# Altium PCB ZLS_MCU.PcbDoc (part 1 of 5) (continued)
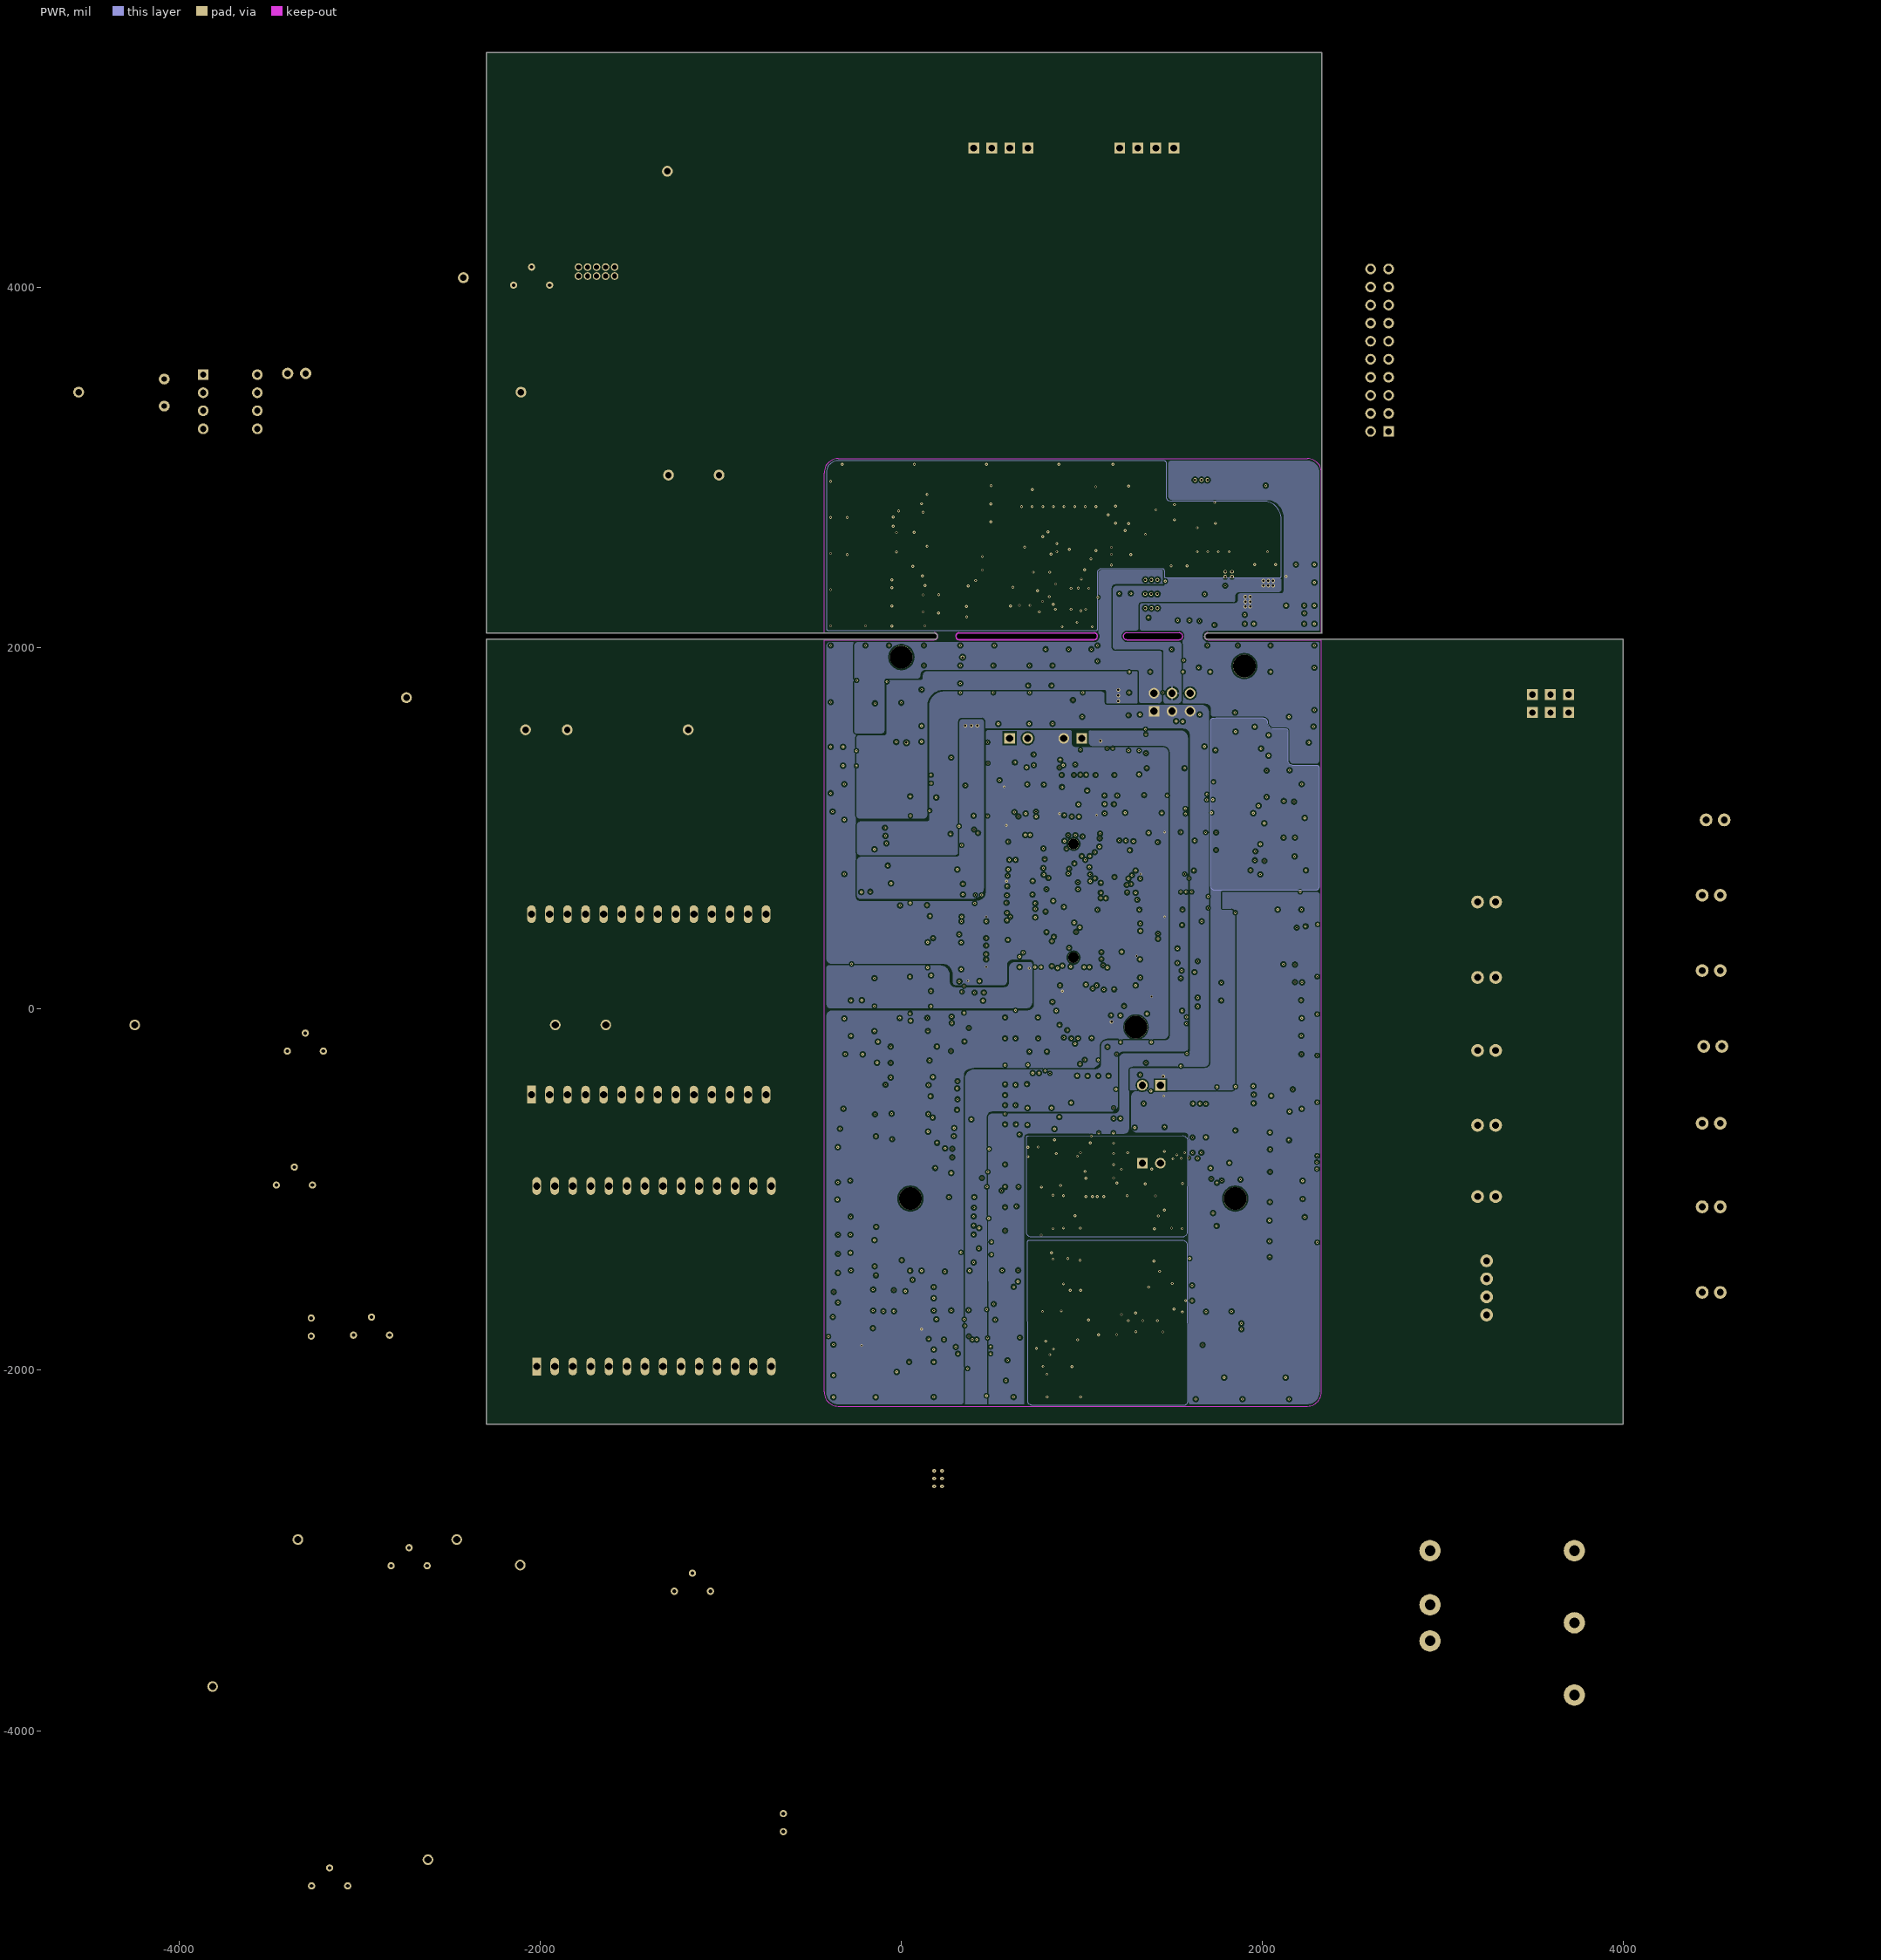
[diagram p4: PWR]
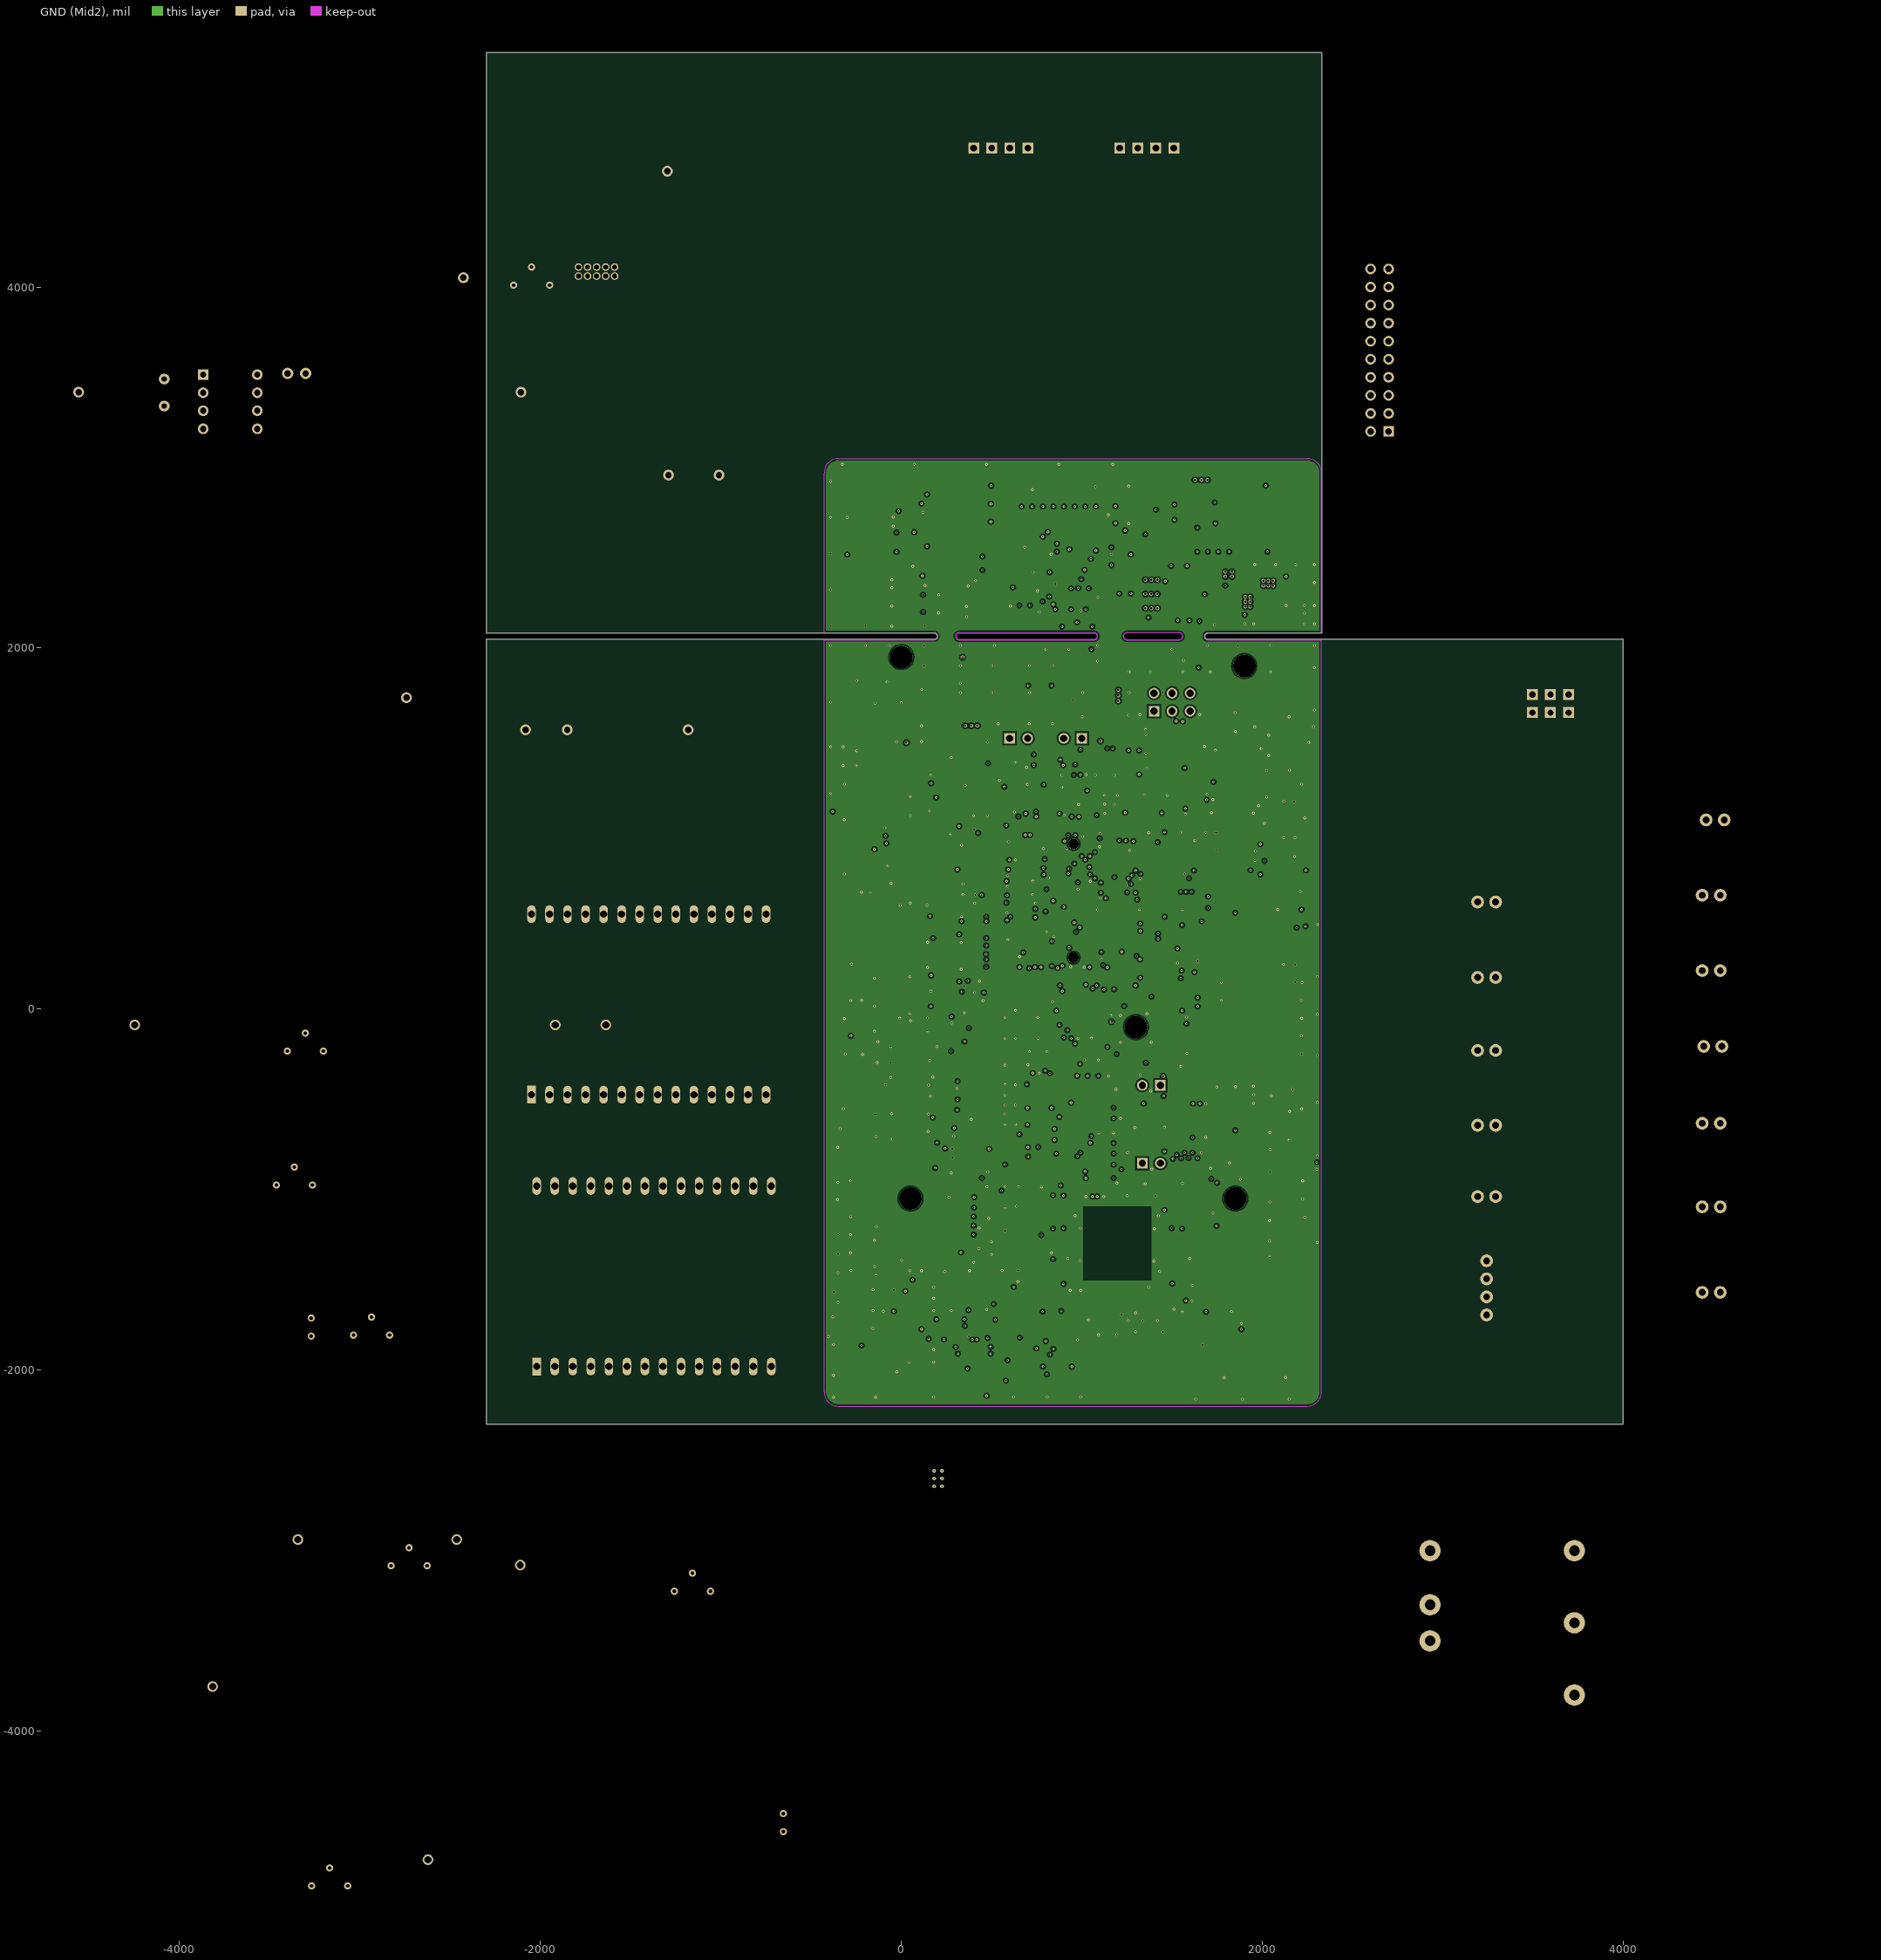
[diagram p5: GND (Mid2)]

## Layer stack, top to bottom
Top Solder: solder mask 0.4, Solder Resist, Dk 3.5
Top Layer: signal copper 1.4
Dielectric1: core 15.748, FR-4, Dk 4.8
GND: signal copper 1.4
Dielectric2: prepreg 9.4488, FR-4, Dk 4.8
Signal: signal copper 1.4
Dielectric4: core 12.6, FR-4, Dk 4.8
PWR: signal copper 1.4
Dielectric5: prepreg 12.6, FR-4, Dk 4.8
GND (Mid2): signal copper 1.4
Dielectric3: core 15.748, FR-4, Dk 4.8
Bottom Layer: signal copper 1.4
Bottom Solder: solder mask 0.4, Solder Resist, Dk 3.5

## Board outline
-2300,-2300 1595.49,-2300 4000,-2300 4000,2048.14 1698.03,2048.18 cw(c1698.03,2065.35) 1698.03,2082.52 2327.93,2082.52 ccw(c2327.95,2085.05) 2330.47,2085.04 2330.47,5300 -2300.01,5300 -2300,2082.53 182.28,2082.52 cw(c182.31,2065.38) 199.45,2065.35 cw(c182.28,2065.35) 182.28,2048.18 -2300,2048.17
cut-out: 1250,2045.67 cw(c1250,2065.35) 1250,2085.04 1538.58,2085.04 cw(c1538.58,2065.35) 1538.58,2045.67
cut-out: 320.08,2048.18 320.1,2048.18 569.42,2048.18 1068.11,2048.18 cw(c1068.11,2045.67) 1068.13,2048.18 ccw(c1068.11,2065.35) 1085.28,2065.35 ccw(c1068.11,2065.35) 1068.11,2082.52 cw(c1068.11,2085.04) 1068.08,2082.52 1068.11,2082.52 569.42,2082.52 1068.08,2082.52 569.42,2082.52 320.08,2082.52 ccw(c320.08,2085.04) 320.1,2082.52 320.08,2082.52 569.42,2082.52 320.08,2082.52 ccw(c320.08,2065.35)

## Design rules (kind name [scope] priority, off if disabled: settings)
Clearance "U9 PWR TRACK" [(ObjectKind = 'Track') vs (ObjectKind = 'Pad') And (Component = 'U9')] p1: gap=8 ignorepadtopadclearanceinfootprint=FALSE except(0: Arc-Hole Track-Hole SMDPad-Hole THPad-Hole Via-Hole Fill-Hole Poly-Hole Region-Hole Text-Hole)
Clearance "U8 PWR TRACK" [(ObjectKind = 'Track') vs (ObjectKind = 'Pad') And (Component = 'U8')] p2: gap=8 ignorepadtopadclearanceinfootprint=FALSE except(0: Arc-Hole Track-Hole SMDPad-Hole THPad-Hole Via-Hole Fill-Hole Poly-Hole Region-Hole Text-Hole)
Clearance SB [(HasFootprint('SB_0603')) or (HasFootprint('JP2_SMD'))] p3: gap=5 ignorepadtopadclearanceinfootprint=FALSE except(0: Arc-Hole Track-Hole SMDPad-Hole THPad-Hole Via-Hole Fill-Hole Poly-Hole Region-Hole Text-Hole)
Clearance CN1_PAD [(ObjectKind = 'Pad') And (Component = 'CN1') vs (ObjectKind = 'Pad') And (Component = 'CN1')] p4: gap=8 ignorepadtopadclearanceinfootprint=FALSE except(0: Arc-Hole Track-Hole SMDPad-Hole THPad-Hole Via-Hole Fill-Hole Poly-Hole Region-Hole Text-Hole)
Clearance U6_PAD [(ObjectKind = 'Pad') And (Component = 'D6') vs (ObjectKind = 'Pad') And (Component = 'D6')] p5: gap=8 ignorepadtopadclearanceinfootprint=FALSE except(0: Arc-Hole Track-Hole SMDPad-Hole THPad-Hole Via-Hole Fill-Hole Poly-Hole Region-Hole Text-Hole)
Clearance CN13_PAD [(ObjectKind = 'Pad') And (Component = 'CN13') vs (ObjectKind = 'Pad') And (Component = 'CN13')] p6: gap=7 ignorepadtopadclearanceinfootprint=FALSE except(0: Arc-Hole Track-Hole SMDPad-Hole THPad-Hole Via-Hole Fill-Hole Poly-Hole Region-Hole Text-Hole)
Clearance U9_PAD [(ObjectKind = 'Pad') And (Component = 'U9') vs (ObjectKind = 'Pad') And (Component = 'U9')] p7: gap=8 ignorepadtopadclearanceinfootprint=FALSE except(0: Arc-Hole Track-Hole SMDPad-Hole THPad-Hole Via-Hole Fill-Hole Poly-Hole Region-Hole Text-Hole)
Clearance U8_PAD [(ObjectKind = 'Pad') And (Component = 'U8') vs (ObjectKind = 'Pad') And (Component = 'U8')] p8: gap=7.8 ignorepadtopadclearanceinfootprint=FALSE except(0: Arc-Hole Track-Hole SMDPad-Hole THPad-Hole Via-Hole Fill-Hole Poly-Hole Region-Hole Text-Hole)
Clearance Polygon [(ObjectKind = 'Poly')] p9: gap=10 ignorepadtopadclearanceinfootprint=FALSE except(0: Arc-Hole Track-Hole SMDPad-Hole THPad-Hole Via-Hole Fill-Hole Poly-Hole Region-Hole Text-Hole)
Clearance [All] p10: gap=8.9 ignorepadtopadclearanceinfootprint=FALSE except(0: Arc-Hole Track-Hole SMDPad-Hole THPad-Hole Via-Hole Fill-Hole Poly-Hole Region-Hole Text-Hole)
DiffPairsRouting [All] p1: maxlimit=10 minlimit=8.9 mostfreqgap=8.9 toplayer_minwidth=15 toplayer_maxwidth=15 toplayer_prefwidth=15 midlayer1_minwidth=15 midlayer1_maxwidth=15 midlayer1_prefwidth=15 midlayer2_minwidth=15 midlayer2_maxwidth=15 midlayer2_prefwidth=15 midlayer3_minwidth=15 midlayer3_maxwidth=15 midlayer3_prefwidth=15 midlayer4_minwidth=15 midlayer4_maxwidth=15 midlayer4_prefwidth=15 bottomlayer_minwidth=15 bottomlayer_maxwidth=15 bottomlayer_prefwidth=15 maxuncoupledlength=500
FabricationTestPointUsage TestPointUsage [All] p1: valid=0 allowmultiple=FALSE
FabricationTestpoint Testpoint [(IsPad And (OnTopLayer Or OnBottomLayer))] p1: side=3 testpointundercomponent=TRUE minsize=40 maxsize=100 preferedsize=60 minholesize=0 maxholesize=40 preferedholesize=32 testpointgrid=1 allowsidetop=TRUE allowsidebottom=TRUE usegrid=TRUE gridtolerance=0.01
HoleSize [All] p1: absolutevalues=TRUE maxlimit=150 minlimit=1 maxpercent=80.000 minpercent=20.000
MinimumSolderMaskSliver [All] p1: minsoldermaskwidth=0.5
PolygonConnect VBAT [(ObjectKind = 'Poly') And (Net = 'VBAT')] p1: connectstyle=Direct reliefconductorwidth=10 reliefentries=4 polygonreliefangle="90 Angle" airgapwidth=10
PolygonConnect VDD [(ObjectKind = 'Poly') And (Net = 'VDD')] p2: connectstyle=Direct reliefconductorwidth=10 reliefentries=4 polygonreliefangle="90 Angle" airgapwidth=10
PolygonConnect VIN [(ObjectKind = 'Poly') And (Net = 'VIN')] p3: connectstyle=Direct reliefconductorwidth=10 reliefentries=4 polygonreliefangle="90 Angle" airgapwidth=10
PolygonConnect +3V3 [(ObjectKind = 'Poly') And (Net = '+3V3')] p4: connectstyle=Direct reliefconductorwidth=10 reliefentries=4 polygonreliefangle="90 Angle" airgapwidth=10
PolygonConnect E5V [(ObjectKind = 'Poly') And (Net = 'E5V')] p5: connectstyle=Direct reliefconductorwidth=10 reliefentries=4 polygonreliefangle="90 Angle" airgapwidth=10
PolygonConnect +5V [(ObjectKind = 'Poly') And (Net = '+5V')] p6: connectstyle=Direct reliefconductorwidth=10 reliefentries=4 polygonreliefangle="90 Angle" airgapwidth=10
PolygonConnect U5V [(ObjectKind = 'Poly') And (Net = 'NetC17_2')] p7: connectstyle=Direct reliefconductorwidth=10 reliefentries=4 polygonreliefangle="90 Angle" airgapwidth=10
PolygonConnect VIA [IsVia] p8: connectstyle=Direct reliefconductorwidth=20 reliefentries=4 polygonreliefangle="90 Angle" airgapwidth=10
PolygonConnect [All] p9: connectstyle=Relief reliefconductorwidth=10 reliefentries=4 polygonreliefangle="90 Angle" airgapwidth=10
RoomDefinition U_CT [InComponentClass('U_CT')] p1: confinementstyle=ConfineIn formatcopy=TRUE lockcomponents=FALSE outline -50293.27,-37874.15 -48293.27,-37874.15 -48293.27,-36874.15 -50293.27,-36874.15
RoomDefinition U_Signal_Conditioner [InComponentClass('U_Signal_Conditioner')] p2: confinementstyle=ConfineIn formatcopy=TRUE lockcomponents=FALSE outline -4740.37,-5214 -409.18,-5214 -409.18,853 -4740.37,853
RoomDefinition U_Power_Input [InComponentClass('U_Power_Input')] p3: confinementstyle=ConfineIn formatcopy=TRUE lockcomponents=FALSE outline -725.21,4700 2224,4700 2224,5260 -725.21,5260
RoomDefinition U_Power [InComponentClass('U_Power')] p4: confinementstyle=ConfineIn formatcopy=TRUE lockcomponents=FALSE outline -860.52,-4000 3970,-4000 3970,-2377.44 -860.52,-2377.44
RoomDefinition U_Heater [InComponentClass('U_Heater')] p5: confinementstyle=ConfineIn formatcopy=TRUE lockcomponents=FALSE outline 3047.57,-1954.55 5184.57,-1954.55 5184.57,2003.95 3047.57,2003.95
RoomDefinition U_Feedback [InComponentClass('U_Feedback')] p6: confinementstyle=ConfineIn formatcopy=TRUE lockcomponents=FALSE outline -4609.5,1368.2 -550,1368.2 -550,5300 -4609.5,5300
RoutingLayers [All] p1: top layer_v5=FALSE mid layer 1_v5=FALSE mid layer 2_v5=FALSE mid layer 3_v5=FALSE mid layer 4_v5=FALSE bottom layer_v5=FALSE
RoutingVias [All] p1: holewidth=12 width=20 viastyle="Through Hole" minholewidth=8 minwidth=15 maxholewidth=28 maxwidth=50
SilkToSilkClearance [All] p1: silktosilkclearance=4
SilkToSolderMaskClearance SilkscreenOverComponentPads [IsPad] p1: minsilkscreentomaskgap=4 clearancetoexposedcopper=TRUE
SolderMaskExpansion [All] p1: expansion=4
Width PWR [InNetClass('PWR')] p1: maxlimit=100 minlimit=8 preferedwidth=10 midlayer1_minwidth=10 midlayer2_minwidth=10 midlayer3_minwidth=10 midlayer4_minwidth=10 bottomlayer_minwidth=10 minimp=50.000000 maximp=50.000000 favimp=50.000000
Width [All] p2: maxlimit=100 minlimit=5 preferedwidth=5 minimp=50.000000 maximp=50.000000 favimp=50.000000
22 further rules are at their usual default settings.

## Classes and differential pairs
component class U_CT: C93 C94 C95 C96 C97 C98 C99 C100 R134 R135 R136 R137 R138 R139 R140 R141 R142 R143 U25 U26 U27 U28
component class U_Signal_Conditioner: C85 C86 C87 C88 C89 C90 C91 C92 P18 R106 R107 R108 R109 R110 R111 R112 R113 R114 R115 R116 R117 R118 R119 R120 R121 R122 R123 R124 R125 R126 R127 R128 R129 R130 R131 R132 R133 TP11 TP12 TP13 TP14 TP15 TP16 TP17 TP18 U21 U22 U23 U24
component class U_Power: C71 C72 C73 C74 C75 C76 C77 C78 C79 C80 C81 C? L2 R78 R79 R80 R81 R82 R83 R? U15 U16 U17 U18 U?
component class U_Power_Input: C82 C83 C84 D6 P16 P17 Q7 Q8 R104 R105 U19 U20
component class U_Heater: DS1 DS2 DS3 DS4 DS5 DS6 P3 P4 P5 P6 P7 P8 P9 P10 P11 P12 P13 P14 P15 Q1 Q2 Q3 Q4 Q5 Q6 R84 R85 R86 R87 R88 R89 R90 R91 R92 R93 R94 R95 R96 R97 R98 R99 R100 R101 R102 R103
component class U_Connectors: CN7 CN8 CN9 CN10 CN11 CN12 LD1 P41 P42 R42 SB4 SB7 SB10 SB11 SB113 SB114 SB115 SB116 SB117 SB119 SB120 SB121 SB122 SB126 SB128 SB130 SB131 SB134 SB135 SB136 SB137 SB138 SB140 SB141 SB143 SB144 SB145 SB146 SB147 SB148 SB150 SB151 SB157 SB158 SB159 SB163 SB165 SB167 SB168 SB169 SB170 SB171 SB172 SB174 SB175 SB176 SB179
component class U_Feedback: C23 C24 C25 C26 C27 C28 C29 C30 C31 C32 C33 C34 C35 C36 C37 C38 C39 C40 C65 C66 C67 C68 C69 C70 L1 P1 P2 R30 R31 R32 R33 R34 R35 R36 R37 R38 R39 R40 R63 R64 R65 R66 R67 R68 R69 R70 R71 R72 R73 R74 R75 R76 R77 TP1 TP2 TP3 TP4 TP5 TP6 TP7 TP8 TP9 TP10 U7 U8 U9 U10 U11 U12 U13 U14
net class PC[0..15]: PC0 PC1 PC2 PC3 PC4 PC5 PC6 PC7 PC8 PC9 PC10 PC11 PC12 PC13 PC14 PC15
net class PB[0..15]: PB0 PB1 PB2 PB3 PB4 PB5 PB6 PB7 PB8 PB9 PB10 PB11 PB12 PB13 PB14 PB15
net class PA[0..15]: PA0 PA1 PA2 PA3 PA4 PA5 PA6 PA7 PA8 PA9 PA10 PA11 PA12 PA13 PA14 PA15
net class PD[0..15]: PD0 PD1 PD2 PD3 PD4 PD5 PD6 PD7 PD8 PD9 PD10 PD11 PD12 PD13 PD14 PD15
net class PE[0..15]: PE0 PE1 PE2 PE3 PE4 PE5 PE6 PE7 PE8 PE9 PE10 PE11 PE12 PE13 PE14 PE15
net class PF[0..15]: PF0 PF1 PF2 PF3 PF4 PF5 PF6 PF7 PF8 PF9 PF10 PF11 PF12 PF13 PF14 PF15
net class PG[0..15]: PG0 PG1 PG2 PG3 PG4 PG5 PG6 PG7 PG8 PG9 PG10 PG11 PG12 PG13 PG14 PG15
net class PH[0..2]: PH0 PH1 PH2
component class Top: C15 C16 C17 C18 C19 C20 C21 C22 JP3 JP4 LD2 LD3 R26 R27 R28 R29 SB13 SB14 SB15 U4 U5 U6
component class U_MCU_144_2: B41 B42 C41 C42 C43 C44 C45 C46 C47 C48 C49 C50 C51 C52 C53 C54 C55 C56 C57 C58 C59 C60 C61 C62 C63 JP41 JP42 JP43 L41 LD42 LD43 R44 R45 R46 R47 R48 R49 R50 R51 R52 R53 SB55 SB56 SB57 SB58 SB59 SB60 SB61 SB62 SB63 SB64 SB65 SB66 SB67 SB68 SB69 SB70 SB71 SB72 SB73 SB74 SB75 SB76 SB77 SB78 SB79 SB80 SB81 SB82 SB83 SB84 SB85 SB86 SB87 TP41 U42 X41 X42

## Components (designator, comment, footprint, x,y, rotation, side; value= is the part's Value field where it differs from the comment)
B41 "USER (Blue)" PB-6X6mm-Blue -122,-1953 r180 top
B42 "TD-0341 [RESET/Black]" PB-6X6mm-Black 2029,-1953 r180 top
C15 "10uF(25V)" TAN-B 173,1651 r0 top value=10uF
C16 "10uF" TAN-A 848,1712 r180 top
C17 "4.7uF" TAN-A 1735,2219 r90 top value=100pF
C18 "100nF" 0603C 2162,2193 r180 top
C19 "1uF_X5R_0603" 0603C 1455,1366 r270 top value=1µF
C20 "1uF_X5R_0603" 0603C 1318,1519 r90 top value=1µF
C21 "100nF" 0603C 1396,1366 r90 top
C22 "100nF" 0603C 1259,1519 r270 top
C23 "470nF" CAPC0805(2012)75_L -2886.46,2296.83 r90 top value=.47uF
C24 ".1uF" CAPC0805(2012)75_L -1606.63,1673.16 r0 top
C25 "22uF" CAPC0805(2012)75_L -3651.63,1827.14 r90 top
C26 "22uF" CAPC0805(2012)75_L -3421.63,1827.14 r90 top
C27 "22uF" CAPC0805(2012)75_L -3167.63,1851.14 r0 top
C28 ".1uF" CAPC0805(2012)75_L -1197,3519.67 r90 top
C29 "22uF" CAPC0805(2012)75_L -1657,3519.67 r90 top
C30 "CAP CER 0.1UF 25V X7R 0805" CAPC0805(2012)145_N -3107,3535.67 r0 top
C31 ".1uF" CAPC0805(2012)75_L -2914,3519.67 r90 top
C32 ".1uF" CAPC0805(2012)75_M -4283,3523.67 r0 top
C33 ".1uF" CAPC0805(2012)75_M -1474.63,3064.32 r0 top
C34 "Multilayer Ceramic Capacitors MLCC - SMD/SMT 0.01uF 50volts 10% X7R" CAPC0805(2012)145_N -1722.63,3076.32 r0 top
C35 "CAP CER 1UF 25V X7R 0805" CAPC0805(2012)155_L -2449.63,3060.32 r90 top
C36 "CAP CER 1UF 25V X7R 0805" CAPC0805(2012)155_L -3704,4153.67 r90 top
C37 ".1uF" CAPC0805(2012)75_M -4109,4157.67 r0 top
C38 ".1uF" CAPC0805(2012)75_M -1481.9,4747.34 r0 top
C39 ".1uF" CAPC0805(2012)75_M -2380.9,4747.34 r0 top
C40 ".1uF" CAPC0805(2012)75_M -2610.9,4747.34 r0 top
C41 "[N/A]" 0603C 18,-1742 r270 top value=100pF
C42 "2pF" 0603C 807,-168 r270 top
C43 "2pF" 0603C 709,-168 r270 top
C44 "4.3pF[N/A]" 0603C 1016,-213 r270 top
C45 "4.3pF[N/A]" 0603C 1091,-214 r270 top
C46 "100nF" 0603C 1830,-1742 r270 top value=100pF
C47 "2.2uF_X7R" TAN-A 425,1185 r270 bottom value=2.2uF
C48 "2.2uF_X7R" TAN-A 1523,932 r180 bottom value=2.2uF
C49 "1uF_X5R_0603" 0603C 779.7,78 r0 bottom value=1µF
C50 "100nF" 0603C 1208,65 r180 top value=10nF
C51 "100nF" 0603C 1324,-297.4 r270 top value=10nF
C52 "100nF" 0603C 402,512 r180 top value=10nF
C53 "100nF" 0603C 407,708 r180 top value=10nF
C54 "100nF" 0603C 891,1151 r90 top value=10nF
C55 "100nF" 0603C 1082,1140 r90 top value=10nF
C56 "100nF" 0603C 1491,748 r0 top value=10nF
C57 "100nF" 0603C 1491,551 r0 top value=10nF
C58 "100nF" 0603C 916,37 r270 bottom value=10nF
C59 "100nF" 0603C 1491,295 r0 top value=10nF
C60 "100nF" 0603C 402,252 r180 top value=10nF
C61 "100nF" 0603C 573,1151 r90 top value=10nF
C62 "100nF" 0603C 1491,945 r0 top value=10nF
C63 "4.7uF_X5R_0603" 0603C 1023,1366 r270 top value=1µF
C65 "22pF" CAPC1206(3216)170_L 2716.33,2756.2 r90 top
C66 "CAP CER 1UF 50V X7R 1210" CAPC1210(3225)100_N 3046.83,3249.21 r0 top
C67 "CAP CER 0.47UF 50V X7R 1206" CAPC1206(3216)190_N 3848.6,3957.21 r0 top
C68 "CAP CER 1UF 16V X7R 0805" CAPC0805(2012)145_N 4606.73,-574.15 r0 top
C69 "4.7uF" CAPC0805(2012)145_M 3113.76,3579.41 r0 top
C70 "CAP CER 0.047UF 16V X7R 0603" CAPC0805(2012)145_N 4406.73,-574.15 r0 top
C71 "10uF" CAPC0805(2012)145_N 910.48,-2523.44 r0 top
C72 "10uF" CAPC0805(2012)145_N 1140.48,-2523.44 r0 top
C73 "1uF" CAPC0805(2012)145_N 680.48,-2523.44 r0 top
C74 "0.68uF" 1608[0603] 423.48,-2532.44 r90 top
C75 "10pF" CAPC0805(2012)145_N -386.52,-2523.44 r0 top
C76 "10uF" CAPC0805(2012)145_N 447.48,-2963.32 r0 top
C77 "4.7uF" C1210 -1.52,-2980.32 r0 top
C78 "0.1uF" 1608[0603] 171.48,-2972.32 r90 top
C79 "2.2uF" 1608[0603] 539.53,-3429.04 r90 top
C80 "CAP CER 1UF 50V X7R 1210" CAPC1206(3216)130_N 104.53,-3426.04 r0 top
C81 "CAP CER 1UF 50V X7R 1210" CAPC1206(3216)130_N -132.47,-3426.04 r0 top
C82 "CAP CER 10UF 6.3V X5R 1206" CAPC1206(3216)130_N 1783.79,5108 r0 top
C83 "CAP CER 10UF 6.3V X5R 1206" CAPC1206(3216)130_N 901.79,5061 r90 top
C84 "CAP CER 10UF 6.3V X5R 1206" CAPC1206(3216)130_N -673.21,5061 r90 top
C85 "22uF" CAPC0805(2012)145_N -1279,-4422 r90 top
C86 "CAP CER 0.1UF 25V X7R 0805" CAPC0805(2012)145_N -2098,-4422 r90 top
C87 "CAP CER 0.1UF 25V X7R 0805" CAPC0805(2012)145_N -2212,-103 r90 top
C88 "22uF" CAPC0805(2012)145_N -3702,-103 r90 top
C89 "22uF" CAPC0805(2012)145_N -3615.07,-1676.5 r90 top
C90 "CAP CER 0.1UF 25V X7R 0805" CAPC0805(2012)145_N -2702.64,-3767.99 r90 top
C91 "CAP CER 0.1UF 25V X7R 0805" CAPC0805(2012)145_N -2982.64,-3767.99 r90 top
C92 "22uF" CAPC0805(2012)145_N -3128,-2954 r90 top
C93 ".1uF" CAPC0805(2012)75_M 3258.25,4187.13 r0 top
C94 ".1uF" CAPC0805(2012)75_L 2058.25,4187.13 r90 top
C95 ".1uF" CAPC0805(2012)75_M 1658.25,4187.13 r0 top
C96 "0.1uF" CAPC0402(1005)60_L 458.25,4187.13 r90 top
C97 "0.1uF" CAPC0402(1005)60_L -141.75,4187.13 r90 top
C98 "0.1uF" CAPC0402(1005)60_L 2977.3,2360 r90 top
C99 "0.1uF" CAPC0402(1005)60_L 4406.73,-1874.15 r90 top
C100 "1uF" CAPC0402(1005)60_L 4106.73,-1874.15 r90 top
D6 "CDBA540-HF" VISH-DO-214AC-2_M 1772.97,4900 r90 top
DS1 "Visible Name Value Type    False Description Lite-On LTST-S220KRKT Red LED, 631 nm 2012 (0805) Side View, Rectangle Lens SMD package STRING" 0805C_L 4769.57,1753.98 r90 top
DS2 "Visible Name Value Type    False Description Lite-On LTST-S220KRKT Red LED, 631 nm 2012 (0805) Side View, Rectangle Lens SMD package STRING" 0805C_L 5023.57,1777.98 r0 top
DS3 "Visible Name Value Type    False Description Lite-On LTST-S220KRKT Red LED, 631 nm 2012 (0805) Side View, Rectangle Lens SMD package STRING" 0805C_L 4559.26,1461.52 r90 top
DS4 "Visible Name Value Type    False Description Lite-On LTST-S220KRKT Red LED, 631 nm 2012 (0805) Side View, Rectangle Lens SMD package STRING" 0805C_L 4789.26,1461.52 r90 top
DS5 "Visible Name Value Type    False Description Lite-On LTST-S220KRKT Red LED, 631 nm 2012 (0805) Side View, Rectangle Lens SMD package STRING" 0805C_L 4122.97,200.52 r90 top
DS6 "Visible Name Value Type    False Description Lite-On LTST-S220KRKT Red LED, 631 nm 2012 (0805) Side View, Rectangle Lens SMD package STRING" 0805C_L 4122.97,-360.48 r90 top
JP3 "Header 3X2" HDR_3x2_2R54_V_M 1400,1650 r0 top locked
JP4 "" HDR_1x2_2R54_V_M_S 1000,1500 r180 top
JP41 "" HDR_1x2_2R54_V_M_S 1435,-422 r180 top